# Altium PCB higgs.PcbDoc (part 12 of 25) (continued)
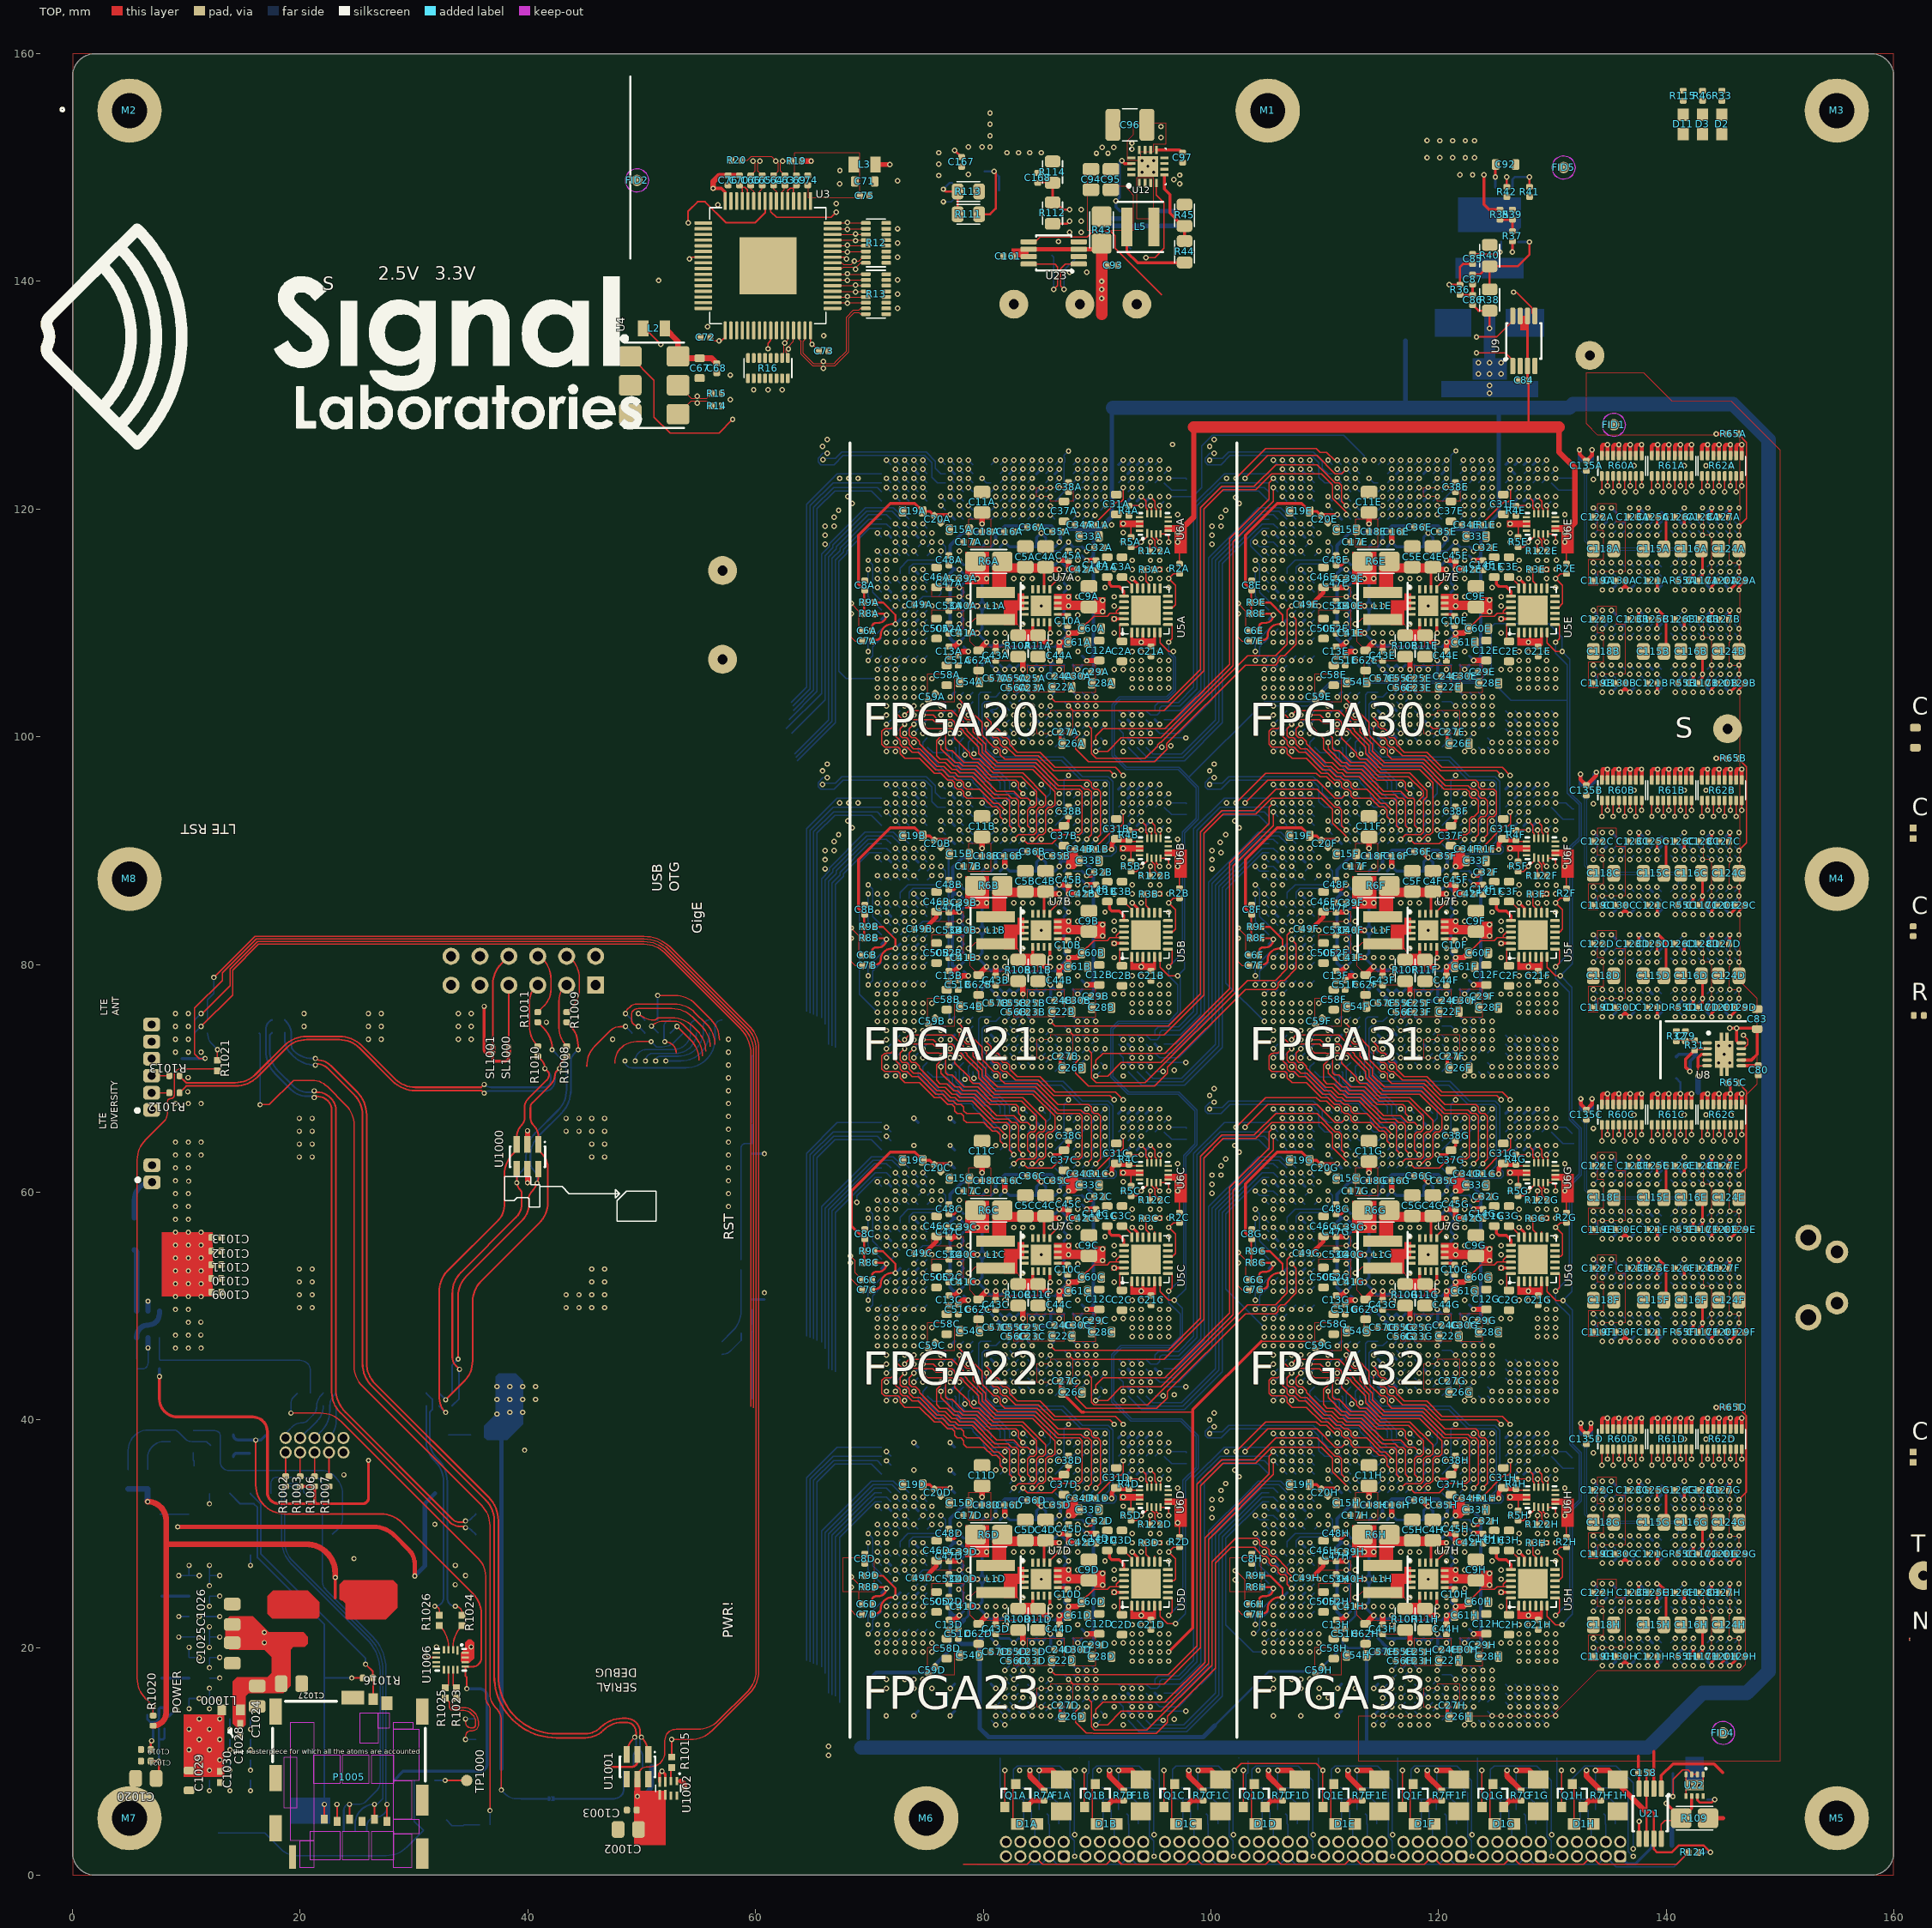
[diagram p0: TOP view]
## Nets (pads, with @x,y where several pads share a name; then routed paths per layer and width w, separated by ;. In a path a pad name is that pad's centre, name@x,y a point inside that pad or via, vN(x,y) a via of type N, cw(c..) or ccw(c..) an arc to the next point about the centre after c; other vN are vias at no path point) (continued)
  BOT w0.102: v1(73.1,94.2) U1B.D3@73.5,93.8
IL07_FPGA21.LR.G0.S_N: U1B.C2 | length 0.6
  BOT w0.102: v1(72.3,95) U1B.C2@72.7,94.6
IL07_FPGA21.LR.G0.S_P: U1B.B1 | length 0.6
  BOT w0.102: v1(71.5,95.8) U1B.B1@71.9,95.4
IL07_FPGA21.LR.G1.D0_N: U1B.E1 | length 0.6
  BOT w0.102: v1(73.9,95.8) U1B.E1@74.3,95.4
IL07_FPGA21.LR.G1.D0_P: U1B.F2 | length 0.6
  BOT w0.102: v1(74.7,95) U1B.F2@75.1,94.6
IL07_FPGA21.LR.G1.D1_N: U1B.H1 | length 0.6
  BOT w0.102: v1(76.3,95.8) U1B.H1@76.7,95.4
IL07_FPGA21.LR.G1.D1_P: U1B.F1 | length 0.6
  BOT w0.102: v1(74.7,95.8) U1B.F1@75.1,95.4
IL07_FPGA21.LR.G1.D2_N: U1B.H3 | length 14.7
  BOT w0.102: v1(66.3,96.4) 65.936,96.4 65.501,95.965 65.501,95.635 65.735,95.401 66.901,95.401 67.699,96.199 74.865,96.199 74.932,96.132 ; 74.933,96.132 75.5,95.566 75.5,94.3 76,93.8 U1B.H3@76.7,93.8
IL07_FPGA21.LR.G1.D2_P: U1B.H2 | length 12.1
  BOT w0.102: v1@65.933,95.933 67.002,95.933 67.573,96.504 74.993,96.504 75.805,95.692 75.805,95.1 76.305,94.6 U1B.H2@76.7,94.6
  other v1: 65.9,95.8
IL07_FPGA21.LR.G1.D3_N: U1B.K3 | length 0.6
  BOT w0.102: v1(77.9,94.2) U1B.K3@78.3,93.8
  other v1: 66.1,89.2
IL07_FPGA21.LR.G1.D3_P: U1B.J3 | length 0.6
  BOT w0.102: v1(77.1,94.2) U1B.J3@77.5,93.8
  other v1: 66.9,90.8
IL07_FPGA21.LR.G1.D4_N: U1B.L1 | length 0.6
  BOT w0.102: v1(78.7,95.8) U1B.L1@79.1,95.4
  other v1: 66.3,97.6
IL07_FPGA21.LR.G1.D4_P: U1B.K1 | length 0.6
  BOT w0.102: v1(77.9,95.8) U1B.K1@78.3,95.4
  other v1: 65.9,97
IL07_FPGA21.LR.G1.S_N: U1B.J1 | length 0.6
  BOT w0.102: v1(77.1,95.8) U1B.J1@77.5,95.4
  other v1: 68.2,94.2
IL07_FPGA21.LR.G1.S_P: U1B.K2 | length 0.6
  BOT w0.102: v1(77.9,95) U1B.K2@78.3,94.6
  other v1: 69,94.2
IL07_FPGA21.LR.G2.D0_N: U1B.K7 | length 0.6
  BOT w0.102: v1(77.9,91) U1B.K7@78.3,90.6
IL07_FPGA21.LR.G2.D0_P: U1B.K6 | length 0.6
  BOT w0.102: v1(77.9,91.8) U1B.K6@78.3,91.4
IL07_FPGA21.LR.G2.D1_N: U1B.L4 | length 0.6
  BOT w0.102: v1(78.7,93.4) U1B.L4@79.1,93
IL07_FPGA21.LR.G2.D1_P: U1B.K5 | length 0.6
  BOT w0.102: v1(77.9,92.6) U1B.K5@78.3,92.2
IL07_FPGA21.LR.G2.D2_N: U1B.N7 | length 0.6
  BOT w0.102: U1B.N7@80.7,90.6 v1(81.1,91)
IL07_FPGA21.LR.G2.D2_P: U1B.N6 | length 0.6
  BOT w0.102: U1B.N6@80.7,91.4 v1(81.1,91.8)
IL07_FPGA21.LR.G2.D3_N: U1B.P7 | length 0.6
  BOT w0.102: U1B.P7@81.5,90.6 v1(81.9,91)
IL07_FPGA21.LR.G2.D3_P: U1B.P6 | length 0.6
  BOT w0.102: U1B.P6@81.5,91.4 v1(81.9,91.8)
IL07_FPGA21.LR.G2.D4_N: U1B.L6 | length 0.6
  BOT w0.102: v1(78.7,91.8) U1B.L6@79.1,91.4
IL07_FPGA21.LR.G2.D4_P: U1B.L7 | length 0.6
  BOT w0.102: v1(78.7,91) U1B.L7@79.1,90.6
IL07_FPGA21.LR.G2.S_N: U1B.N4 | length 0.6
  BOT w0.102: U1B.N4@80.7,93 v1(81.1,93.4)
IL07_FPGA21.LR.G2.S_P: U1B.N3 | length 1
  BOT w0.102: v1(79.9,94.2) 80.3,93.8 U1B.N3@80.7,93.8
IL07_FPGA21.LR.G3.D0_N: U1B.E3 | length 0.6
  BOT w0.102: v1(73.9,94.2) U1B.E3@74.3,93.8
  other v1: 68.099,92.6
IL07_FPGA21.LR.G3.D0_P: U1B.F3 | length 0.6
  BOT w0.102: v1(74.7,94.2) U1B.F3@75.1,93.8
  other v1: 68.5,92
IL07_FPGA21.LR.G3.D1_N: U1B.D1 | length 0.6
  BOT w0.102: v1(73.1,95.8) U1B.D1@73.5,95.4
  other v1: 67.3,91.4
IL07_FPGA21.LR.G3.D1_P: U1B.C1 | length 0.6
  BOT w0.102: v1(72.3,95.8) U1B.C1@72.7,95.4
  other v1: 66.1,90
IL07_FPGA21.LR.G3.D2_N: U1B.L3 | length 0.6
  BOT w0.102: v1(78.7,94.2) U1B.L3@79.1,93.8
IL07_FPGA21.LR.G3.D2_P: U1B.L2 | length 0.6
  BOT w0.102: v1(78.7,95) U1B.L2@79.1,94.6
IL07_FPGA21.LR.G3.D3_N: U1B.K4 | length 0.6
  BOT w0.102: v1(77.9,93.4) U1B.K4@78.3,93
  other v1: 66.9,90
IL07_FPGA21.LR.G3.D3_P: U1B.J4 | length 0.6
  BOT w0.102: v1(77.1,93.4) U1B.J4@77.5,93
  other v1: 66.1,88.4
IL07_FPGA21.LR.G3.D4_N: U1B.H5 | length 0.6
  BOT w0.102: v1(76.3,92.6) U1B.H5@76.7,92.2
IL07_FPGA21.LR.G3.D4_P: U1B.H6 | length 0.6
  BOT w0.102: v1(76.3,91.8) U1B.H6@76.7,91.4
IL07_FPGA21.LR.G3.S_N: U1B.D17 | length 0.6
  BOT w0.102: v1(73.1,82.2) U1B.D17@73.5,82.6
IL07_FPGA21.LR.G3.S_P: U1B.C17 | length 0.6
  BOT w0.102: U1B.C17@72.7,82.6 v1(73.1,83)
IL07_FPGA21.LR.VTT: C19B.2 C20B.2 U1B.J7
IL07_FPGA21.TB.G8.D0_N: U1B.D9 | length 0.6
  BOT w0.102: v1(73.1,89.4) U1B.D9@73.5,89
IL07_FPGA21.TB.G8.D0_P: U1B.F9 | length 0.6
  BOT w0.102: v1(74.7,89.4) U1B.F9@75.1,89
IL07_FPGA21.TB.G8.D1_N: U1B.A9 | length 0.6
  BOT w0.102: v1(70.7,89.4) U1B.A9@71.1,89
IL07_FPGA21.TB.G8.D1_P: U1B.C9 | length 0.6
  BOT w0.102: v1(72.3,89.4) U1B.C9@72.7,89
IL07_FPGA21.TB.G8.D2_N: U1B.C11 | length 0.6
  BOT w0.102: v1(72.3,87.8) U1B.C11@72.7,87.4
IL07_FPGA21.TB.G8.D2_P: U1B.D11 | length 0.6
  BOT w0.102: v1(73.1,87.8) U1B.D11@73.5,87.4
IL07_FPGA21.TB.G8.D3_N: U1B.C10 | length 0.6
  BOT w0.102: v1(72.3,88.6) U1B.C10@72.7,88.2
IL07_FPGA21.TB.G8.D3_P: U1B.D10 | length 0.6
  BOT w0.102: v1(73.1,88.6) U1B.D10@73.5,88.2
IL07_FPGA21.TB.G13.C_N: U1B.B4 | length 0.6
  BOT w0.102: v1(71.5,93.4) U1B.B4@71.9,93
IL07_FPGA21.TB.G13.C_P: U1B.B3 | length 0.6
  BOT w0.102: v1(71.5,94.2) U1B.B3@71.9,93.8
IL07_FPGA21.TB.G13.D0_N: U1B.A3 | length 23.2
  BOT w0.102: 64.805,75.729 64.805,91.791 66.814,93.8 U1B.A3@71.1,93.8
IL07_FPGA21.TB.G13.D0_P: U1B.A2 | length 23.8
  BOT w0.102: 64.5,75.855 64.5,91.917 67.183,94.6 U1B.A2@71.1,94.6
IL07_FPGA21.TB.G13.D1_N: U1B.A5 | length 22.8
  BOT w0.102: 65.414,75.477 65.414,91.539 66.976,93.1 70.2,93.1 U1B.A5@71.1,92.2
IL07_FPGA21.TB.G13.D1_P: U1B.A4 | length 22.9
  BOT w0.102: 65.11,75.603 65.11,91.665 66.85,93.405 70.695,93.405 U1B.A4@71.1,93
IL07_FPGA21.TB.G13.D2_N: U1B.C7 | length 21.3
  BOT w0.102: 66.105,74.743 66.105,87.409 66.804,88.108 66.804,88.347 69.761,91.305 71.995,91.305 U1B.C7@72.7,90.6
IL07_FPGA21.TB.G13.D2_P: U1B.D7 | length 22.2
  BOT w0.102: 65.8,75.3 65.8,87.536 66.499,88.235 66.499,88.473 69.635,91.609 72.122,91.609 72.731,91 73.1,91 U1B.D7@73.5,90.6
IL07_FPGA21.TB.G13.D3_N: U1B.A7 | length 20.3
  BOT w0.102: 66.714,72.852 66.714,87.157 67.413,87.856 67.413,88.095 69.919,90.6 U1B.A7@71.1,90.6
IL07_FPGA21.TB.G13.D3_P: U1B.B7 | length 21.6
  BOT w0.102: 66.41,72.979 66.41,87.283 67.109,87.982 67.109,88.221 69.888,91 71.5,91 U1B.B7@71.9,90.6
IL07_FPGA21.TB.G13.D4_N: U1B.E8 | length 0.6
  BOT w0.102: v1(73.9,90.2) U1B.E8@74.3,89.8
IL07_FPGA21.TB.G13.D4_P: U1B.F8 | length 0.6
  BOT w0.102: v1(74.7,90.2) U1B.F8@75.1,89.8
IL07_FPGA21.TB.G13.D5_N: U1B.C8 | length 0.6
  BOT w0.102: v1(72.3,90.2) U1B.C8@72.7,89.8
IL07_FPGA21.TB.G13.D5_P: U1B.D8 | length 0.6
  BOT w0.102: v1(73.1,90.2) U1B.D8@73.5,89.8
IL07_FPGA21.TB.G13.D6: U1B.B8 | length 20.8
  BOT w0.102: 67.019,72.726 67.019,87.031 67.718,87.73 67.718,87.968 69.95,90.2 71.5,90.2 U1B.B8@71.9,89.8
IL07_FPGA21.VIOLR: C15B.2 C16B.2 C17B.2 C18B.2 U1B.M10 U1B.P10 U1B.R10 U1B.T10 | length 3.2
  TOP w0.483: v1(81.9,88.6) C16B.2@81.9,89.33
  BOT w0.254: U1B.M10@79.9,88.2 v1(80.3,88.6) ; U1B.P10@81.5,88.2 v1(81.9,88.6) U1B.R10@82.3,88.2 U1B.T10@83.1,88.2
IL07_FPGA21.VIOTB: C46B.2 C47B.2 C48B.2 C49B.2 U1B.K12 U1B.K14 U1B.K15 U1B.K16 | length 6.8
  TOP w0.254: C48B.2@77,86.57 77.47,86.57 v1(77.9,87)
  TOP w0.381: C49B.2@74.83,83.1 75.9,84.17 C46B.2@75.9,84.625
  TOP w0.483: C47B.2@77,84.57 77.03,84.6 v1(77.9,84.6)
  BOT w0.254: v1(77.9,87) U1B.K12@78.3,86.6 ; U1B.K16@78.3,83.4 v1(77.9,83.8) U1B.K15@78.3,84.2 v1(77.9,84.6) U1B.K14@78.3,85
IL12.LR.G0.D0D_N: U1D.D28
IL12.LR.G0.D0D_P: U1D.C28
IL12.LR.G0.D0H_N: U1H.D28
IL12.LR.G0.D0H_P: U1H.C28
IL12.LR.G0.D1D_N: U1D.C30
IL12.LR.G0.D1D_P: U1D.C29
IL12.LR.G0.D1H_N: U1H.C30
IL12.LR.G0.D1H_P: U1H.C29
IL12.LR.G0.D2D_N: U1D.E29
IL12.LR.G0.D2D_P: U1D.D29
IL12.LR.G0.D2H_N: U1H.E29
IL12.LR.G0.D2H_P: U1H.D29
IL12.LR.G0.D3D_N: U1D.F28
IL12.LR.G0.D3D_P: U1D.F29
IL12.LR.G0.D3H_N: U1H.F28
IL12.LR.G0.D3H_P: U1H.F29
IL12.LR.G0.D4D_N: U1D.D31
IL12.LR.G0.D4D_P: U1D.D30
IL12.LR.G0.D4H_N: U1H.D31
IL12.LR.G0.D4H_P: U1H.D30
IL12.LR.G0.SD_N: U1D.C31
IL12.LR.G0.SD_P: U1D.B32
IL12.LR.G0.SH_N: U1H.C31
IL12.LR.G0.SH_P: U1H.B32
IL12.LR.G1.D0D_N: U1D.E32
IL12.LR.G1.D0D_P: U1D.F31
IL12.LR.G1.D0H_N: U1H.E32
IL12.LR.G1.D0H_P: U1H.F31
IL12.LR.G1.D1D_N: U1D.H32
IL12.LR.G1.D1D_P: U1D.F32
IL12.LR.G1.D1H_N: U1H.H32
IL12.LR.G1.D1H_P: U1H.F32
IL12.LR.G1.D2D_N: U1D.H30
IL12.LR.G1.D2D_P: U1D.H31
IL12.LR.G1.D2H_N: U1H.H30
IL12.LR.G1.D2H_P: U1H.H31
IL12.LR.G1.D3D_N: U1D.K30
IL12.LR.G1.D3D_P: U1D.J30
IL12.LR.G1.D3H_N: U1H.K30
IL12.LR.G1.D3H_P: U1H.J30
IL12.LR.G1.D4D_N: U1D.L32
IL12.LR.G1.D4D_P: U1D.K32
IL12.LR.G1.D4H_N: U1H.L32
IL12.LR.G1.D4H_P: U1H.K32
IL12.LR.G1.SD_N: U1D.J32
IL12.LR.G1.SD_P: U1D.K31
IL12.LR.G1.SH_N: U1H.J32
IL12.LR.G1.SH_P: U1H.K31
IL12.LR.G2.D0D_N: U1D.K26
IL12.LR.G2.D0D_P: U1D.K27
IL12.LR.G2.D0H_N: U1H.K26
IL12.LR.G2.D0H_P: U1H.K27
IL12.LR.G2.D1D_N: U1D.L29
IL12.LR.G2.D1D_P: U1D.K28
IL12.LR.G2.D1H_N: U1H.L29
IL12.LR.G2.D1H_P: U1H.K28
IL12.LR.G2.D2D_N: U1D.N26
IL12.LR.G2.D2D_P: U1D.N27
IL12.LR.G2.D2H_N: U1H.N26
IL12.LR.G2.D2H_P: U1H.N27
IL12.LR.G2.D3D_N: U1D.P26
IL12.LR.G2.D3D_P: U1D.P27
IL12.LR.G2.D3H_N: U1H.P26
IL12.LR.G2.D3H_P: U1H.P27
IL12.LR.G2.D4D_N: U1D.L27
IL12.LR.G2.D4D_P: U1D.L26
IL12.LR.G2.D4H_N: U1H.L27
IL12.LR.G2.D4H_P: U1H.L26
IL12.LR.G2.SD_N: U1D.N29
IL12.LR.G2.SD_P: U1D.N30
IL12.LR.G2.SH_N: U1H.N29
IL12.LR.G2.SH_P: U1H.N30
IL12.LR.G3.D0D_N: U1D.E30
IL12.LR.G3.D0D_P: U1D.F30
IL12.LR.G3.D0H_N: U1H.E30
IL12.LR.G3.D0H_P: U1H.F30
IL12.LR.G3.D1D_N: U1D.D32
IL12.LR.G3.D1D_P: U1D.C32
IL12.LR.G3.D1H_N: U1H.D32
IL12.LR.G3.D1H_P: U1H.C32
IL12.LR.G3.D2D_N: U1D.L30
IL12.LR.G3.D2D_P: U1D.L31
IL12.LR.G3.D2H_N: U1H.L30
IL12.LR.G3.D2H_P: U1H.L31
IL12.LR.G3.D3D_N: U1D.K29
IL12.LR.G3.D3D_P: U1D.J29
IL12.LR.G3.D3H_N: U1H.K29
IL12.LR.G3.D3H_P: U1H.J29
IL12.LR.G3.D4D_N: U1D.H28
IL12.LR.G3.D4D_P: U1D.H27
IL12.LR.G3.D4H_N: U1H.H28
IL12.LR.G3.D4H_P: U1H.H27
IL12.LR.G3.SD_N: U1D.B30
IL12.LR.G3.SD_P: U1D.B29
IL12.LR.G3.SH_N: U1H.B30
IL12.LR.G3.SH_P: U1H.B29
IL12.LR.VTTD: C8D.2 C58D.2 C59D.2 R8D.1 R9D.1 U1D.J26
IL12.LR.VTTH: C8H.2 C58H.2 C59H.2 R8H.1 R9H.1 U1H.J26
IL12.TB.G8.D0D_N: U1D.B22 | length 0.6
  BOT w0.102: v1(71.5,21.2) U1D.B22@71.9,21.6
IL12.TB.G8.D0D_P: U1D.A22 | length 0.6
  BOT w0.102: v1(70.7,21.2) U1D.A22@71.1,21.6
IL12.TB.G8.D0H_N: U1H.B22 | length 0.6
  BOT w0.102: v1(105.5,21.2) U1H.B22@105.9,21.6
IL12.TB.G8.D0H_P: U1H.A22 | length 0.6
  BOT w0.102: v1(104.7,21.2) U1H.A22@105.1,21.6
IL12.TB.G8.D1D_N: U1D.D22 | length 0.6
  BOT w0.102: v1(73.1,21.2) U1D.D22@73.5,21.6
IL12.TB.G8.D1D_P: U1D.C22 | length 0.6
  BOT w0.102: v1(72.3,21.2) U1D.C22@72.7,21.6
IL12.TB.G8.D1H_N: U1H.D22 | length 0.6
  BOT w0.102: v1(107.1,21.2) U1H.D22@107.5,21.6
IL12.TB.G8.D1H_P: U1H.C22 | length 0.6
  BOT w0.102: v1(106.3,21.2) U1H.C22@106.7,21.6
IL12.TB.G8.D2D_N: U1D.F22 | length 0.6
  BOT w0.102: v1(74.7,21.2) U1D.F22@75.1,21.6
IL12.TB.G8.D2D_P: U1D.E22 | length 0.6
  BOT w0.102: v1(73.9,21.2) U1D.E22@74.3,21.6
IL12.TB.G8.D2H_N: U1H.F22 | length 0.6
  BOT w0.102: v1(108.7,21.2) U1H.F22@109.1,21.6
IL12.TB.G8.D2H_P: U1H.E22 | length 0.6
  BOT w0.102: v1(107.9,21.2) U1H.E22@108.3,21.6
IL12.TB.G8.D3D_N: U1D.B23 | length 0.6
  BOT w0.102: v1(71.5,20.4) U1D.B23@71.9,20.8
IL12.TB.G8.D3D_P: U1D.A23 | length 0.6
  BOT w0.102: v1(70.7,20.4) U1D.A23@71.1,20.8
IL12.TB.G8.D3H_N: U1H.B23 | length 0.6
  BOT w0.102: v1(105.5,20.4) U1H.B23@105.9,20.8
IL12.TB.G8.D3H_P: U1H.A23 | length 0.6
  BOT w0.102: v1(104.7,20.4) U1H.A23@105.1,20.8
IL12.TB.G13.CD_N: U1D.F17 | length 0.6
  BOT w0.102: v1(74.706,25.201) 74.706,25.206 U1D.F17@75.1,25.6
IL12.TB.G13.CD_P: U1D.E17 | length 0.5
  BOT w0.102: v1(73.906,25.226) 73.926,25.226 U1D.E17@74.3,25.6
IL12.TB.G13.CH_N: U1H.F17 | length 0.6
  BOT w0.102: v1(108.707,25.201) 108.707,25.207 U1H.F17@109.1,25.6
IL12.TB.G13.CH_P: U1H.E17 | length 0.6
  BOT w0.102: v1(107.9,25.2) U1H.E17@108.3,25.6
IL12.TB.G13.D0D_N: U1D.F18 | length 0.6
  BOT w0.102: v1(74.7,24.4) U1D.F18@75.1,24.8
IL12.TB.G13.D0D_P: U1D.D18 | length 0.6
  BOT w0.102: v1(73.1,24.4) U1D.D18@73.5,24.8
IL12.TB.G13.D0H_N: U1H.F18 | length 0.6
  BOT w0.102: v1(108.7,24.4) U1H.F18@109.1,24.8
IL12.TB.G13.D0H_P: U1H.D18 | length 0.6
  BOT w0.102: v1(107.1,24.4) U1H.D18@107.5,24.8
IL12.TB.G13.D1D_N: U1D.B19 | length 0.6
  BOT w0.102: v1(71.5,23.6) U1D.B19@71.9,24
IL12.TB.G13.D1D_P: U1D.A19 | length 2.5
  BOT w0.102: v1(69.9,22) 69.9,22.8 U1D.A19@71.1,24
IL12.TB.G13.D1H_N: U1H.B19 | length 0.6
  BOT w0.102: v1(105.5,23.6) U1H.B19@105.9,24
IL12.TB.G13.D1H_P: U1H.A19 | length 2.5
  BOT w0.102: v1(103.907,22.026) 103.907,22.793 103.9,22.8 U1H.A19@105.1,24
IL12.TB.G13.D2D_N: U1D.D19 | length 0.6
  BOT w0.102: v1(73.1,23.6) U1D.D19@73.5,24
IL12.TB.G13.D2D_P: U1D.C19 | length 0.6
  BOT w0.102: v1(72.3,23.6) U1D.C19@72.7,24
IL12.TB.G13.D2H_N: U1H.D19 | length 0.6
  BOT w0.102: v1(107.1,23.6) U1H.D19@107.5,24
IL12.TB.G13.D2H_P: U1H.C19 | length 0.6
  BOT w0.102: v1(106.3,23.6) U1H.C19@106.7,24
IL12.TB.G13.D3D_N: U1D.F19 | length 0.6
  BOT w0.102: v1(74.706,23.601) 74.706,23.606 U1D.F19@75.1,24
IL12.TB.G13.D3D_P: U1D.E19 | length 0.6
  BOT w0.102: v1@73.9,23.6 U1D.E19@74.3,24 ; v1@73.906,23.606 v1(73.906,23.626)
IL12.TB.G13.D3H_N: U1H.F19 | length 0.6
  BOT w0.102: v1(108.7,23.6) U1H.F19@109.1,24
IL12.TB.G13.D3H_P: U1H.E19 | length 0.6
  BOT w0.102: v1(107.9,23.6) U1H.E19@108.3,24
IL12.TB.G13.D4D_N: U1D.C20 | length 0.6
  BOT w0.102: v1(72.3,22.8) U1D.C20@72.7,23.2
IL12.TB.G13.D4D_P: U1D.A20 | length 2.5
  BOT w0.102: v1(69.9,21.2) 70.3,21.6 70.3,22.4 U1D.A20@71.1,23.2
IL12.TB.G13.D4H_N: U1H.C20 | length 0.6
  BOT w0.102: v1(106.3,22.8) U1H.C20@106.7,23.2
IL12.TB.G13.D4H_P: U1H.A20 | length 2.7
  BOT w0.102: v1(103.757,21.226) 103.876,21.226 103.901,21.201 104.3,21.6 104.3,21.855 104.306,21.861 104.306,22.191 104.3,22.198 104.3,22.4 U1H.A20@105.1,23.2
IL12.TB.G13.D5D_N: U1D.F20 | length 0.6
  BOT w0.102: v1(74.7,22.8) U1D.F20@75.1,23.2
IL12.TB.G13.D5D_P: U1D.D20 | length 0.6
  BOT w0.102: v1(73.1,22.8) U1D.D20@73.5,23.2
IL12.TB.G13.D5H_N: U1H.F20 | length 0.6
  BOT w0.102: v1(108.7,22.8) U1H.F20@109.1,23.2
IL12.TB.G13.D5H_P: U1H.D20 | length 0.6
  BOT w0.102: v1(107.1,22.8) U1H.D20@107.5,23.2
IL12.TB.G13.D6D: U1D.C23 | length 0.6
  BOT w0.102: v1(72.3,20.4) U1D.C23@72.7,20.8
IL12.TB.G13.D6H: U1H.C23 | length 0.6
  BOT w0.102: v1(106.3,20.4) U1H.C23@106.7,20.8
IL12.VIOLRD: C54D.2 C55D.2 C56D.2 C57D.2 U1D.M23 U1D.P23 U1D.R23 U1D.T23
IL12.VIOLRH: C54H.2 C55H.2 C56H.2 C57H.2 U1H.M23 U1H.P23 U1H.R23 U1H.T23 | length 68.8
  BOT w0.203: 78.3,22.4 78.7,22.8 78.7,23.425 78.3,23.825 78.3,24 78.25,24 78.25,24.75 78.3,24.8 77.975,25.125 v1(77.85,25.125) 77.85,25.15 78.3,25.6 ; 79.9,20.8 80.3,21.2 81.1,21.2 81.475,20.825 ; 79.925,20.775 79.95,20.8 ; 81.5,20.8 82.3,20.8 v1(82.7,20.4) 83.1,20.8 83.125,20.775 ; 100.35,13.15 105.1,17.9 109.4,17.9 111.738,20.238 ; v1@111.875,25.175 112.25,25.55 ; 112.3,22.4 111.575,21.675 111.575,20.4 111.738,20.238 ; 112.3,25.6 112.25,25.55 ; 112.35,22.425 112.689,22.764 112.689,23.611 112.3,24 112.25,24.05 112.25,25.55 ; U1H.M23@113.9,20.8 114.311,21.211 115.089,21.211 U1H.P23@115.475,20.825 ; U1H.M23@113.975,20.825 113.1,19.95 112.025,19.95 111.738,20.238 ; U1H.P23@115.5,20.8 U1H.R23@116.3,20.8 ; v1@115.925,20.425 U1H.R23@116.3,20.8 ; U1H.T23@117.15,20.85 U1H.T23@117.1,20.8 U1H.R23@116.3,20.8
  BOT w0.406: 78.3,22.4 77.81,21.91 77.81,20.597 78.097,20.31 79.46,20.31 ; 79.9,20.8 79.7,20.6 79.7,12.9 80.473,12.127 99.327,12.127 100.35,13.15
  other v1: 115.9,20.375 111.85,25.125
IL12.VIOTBD: C50D.2 C51D.2 C52D.2 C53D.2 U1D.K17 U1D.K18 U1D.K19 U1D.K21
IL12.VIOTBH: C50H.2 C51H.2 C52H.2 C53H.2 U1H.K17 U1H.K18 U1H.K19 U1H.K21
IL12_13.LR.VTT: NT12.A
IL12_13.VIOLR: NT13.A
IL12_20.LR.G0.D0_N: U1A.D28 U1B.T7 | length 29.8
  TOP w0.102: v1(73.1,101.9) 73.499,102.299 74.699,102.299 ; 74.7,102.3 76.5,102.3 ; 76.501,102.299 77.265,102.299 78.064,101.501 78.299,101.265 78.299,100.937 78.604,100.632 78.604,100.523 79.904,99.223 79.904,98.64 81.126,97.418 84.477,97.418 86.496,95.399 88.465,95.399 88.699,95.165 88.699,91.635 88.465,91.401 86.865,91.401 86.065,90.601 83.899,90.601 v1(83.5,91)
  BOT w0.102: v1(73.1,101.9) U1A.D28@73.5,102.3 ; U1B.T7@83.1,90.6 v1(83.5,91)
IL12_20.LR.G0.D0_P: U1A.C28 U1B.R7 | length 23.7
  TOP w0.102: v1(72.3,101.9) 72.536,101.9 72.935,101.501 74.699,101.501 ; 74.7,101.5 75.569,101.5 75.873,101.196 76.399,101.196 76.895,100.701 77.264,100.701 77.501,100.464 77.501,99.864 78.801,98.564 78.801,98.335 79.108,98.028 79.654,98.028 80.873,96.809 83.487,96.809 85.5,94.795 85.5,94.225 85.499,94.224 85.499,94.035 85.265,93.801 84.936,93.801 84.701,93.565 84.701,91.927 84.699,91.925 84.699,91.635 84.464,91.4 83.1,91.4 v1(82.7,91)
  BOT w0.102: v1(72.3,101.9) U1A.C28@72.7,102.3 ; U1B.R7@82.3,90.6 v1(82.7,91)
IL12_20.LR.G0.D1_N: U1A.C30 U1B.P4 | length 14.2
  TOP w0.102: v1(72.3,100.3) 72.3,100.064 72.699,99.665 72.699,99.337 72.935,99.101 73.304,99.101 73.767,98.638 74.305,98.638 75.838,97.105 76.422,97.105 77.023,96.504 77.392,96.504 77.696,96.199 78.065,96.199 78.301,95.964 78.301,95.635 78.535,95.401 79.695,95.401 80.926,94.169 81.326,94.169 81.9,93.595 v1(81.9,93.4)
  BOT w0.102: v1(72.3,100.3) U1A.C30@72.7,100.7 ; U1B.P4@81.5,93 v1(81.9,93.4)
IL12_20.LR.G0.D1_P: U1A.C29 U1B.P5 | length 18.2
  TOP w0.102: v1(72.3,101.1) 72.298,101.1 71.899,100.701 71.501,100.701 71.499,100.699 71.335,100.699 71.101,100.465 71.101,99.665 71.101,99.335 71.335,99.101 72.504,99.101 72.7,98.905 72.7,98.534 73.134,98.1 74.411,98.1 75.711,96.8 76.295,96.8 76.896,96.199 77.265,96.199 77.501,95.964 77.501,95.635 77.736,95.399 78.065,95.399 78.299,95.165 78.299,94.837 78.535,94.601 80.064,94.601 80.8,93.864 81.2,93.864 81.499,93.565 81.499,93.001 v1(81.9,92.6)
  BOT w0.102: v1(72.3,101.1) U1A.C29@72.7,101.5 ; U1B.P5@81.5,92.2 v1(81.9,92.6)
IL12_20.LR.G0.D2_N: U1A.E29 U1B.T6 | length 17.1
  TOP w0.102: v1(73.9,101.1) 73.501,100.701 73.501,100.135 73.735,99.901 74.064,99.901 74.4,99.564 74.4,99.405 76.09,97.714 76.674,97.714 77.275,97.114 77.644,97.114 77.949,96.809 79.149,96.809 81.054,94.904 82.192,94.904 82.496,94.599 82.865,94.599 83.099,94.365 83.099,92.201 v1(83.5,91.8)
  BOT w0.102: v1(73.9,101.1) U1A.E29@74.3,101.5 ; U1B.T6@83.1,91.4 v1(83.5,91.8)
IL12_20.LR.G0.D2_P: U1A.D29 U1B.R6 | length 17.2
  TOP w0.102: v1(73.1,101.1) 72.701,100.701 72.701,100.1 72.902,99.899 73.265,99.899 73.499,99.665 73.499,99.336 73.893,98.942 74.431,98.942 75.964,97.41 76.548,97.41 77.149,96.809 77.518,96.809 77.823,96.504 79.023,96.504 80.927,94.599 82.065,94.599 82.299,94.365 82.299,92.201 v1(82.7,91.8)
  BOT w0.102: v1(73.1,101.1) U1A.D29@73.5,101.5 ; U1B.R6@82.3,91.4 v1(82.7,91.8)
IL12_20.LR.G0.D3_N: U1A.F28 U1B.U7 | length 21.6
  TOP w0.102: v1(74.7,101.9) 75.6,101.9 75.999,101.501 76.6,101.501 76.602,101.499 77.265,101.499 77.499,101.265 77.499,101.101 77.501,101.099 77.501,100.935 77.735,100.701 78.064,100.701 78.299,100.465 78.299,100.396 79.599,99.096 79.599,98.514 80.999,97.114 84.351,97.114 86.301,95.164 86.301,94.25 86.299,94.248 86.299,94.035 86.065,93.801 85.736,93.801 85.501,93.565 85.501,91.636 85.265,91.401 84.936,91.401 84.536,91 v1(84.3,91)
  BOT w0.102: v1(74.7,101.9) U1A.F28@75.1,102.3 ; U1B.U7@83.9,90.6 v1(84.3,91)
IL12_20.LR.G0.D3_P: U1A.F29 U1B.U6 | length 18.5
  TOP w0.102: v1(74.7,101.1) 75.1,100.7 76.136,100.7 76.136,100.699 76.465,100.699 76.699,100.465 76.699,98.983 76.883,98.799 77.252,98.799 78.328,97.723 79.528,97.723 80.747,96.504 83.361,96.504 84.699,95.165 84.699,94.035 84.465,93.801 84.136,93.801 83.901,93.565 83.901,92.476 83.9,92.475 83.9,92.2 v1(84.3,91.8)
  BOT w0.102: v1(74.7,101.1) U1A.F29@75.1,101.5 ; U1B.U6@83.9,91.4 v1(84.3,91.8)
IL12_20.LR.G0.D4_N: U1A.D31 U1B.U5 | length 16.3
  S2(H) w0.102: v1(73.1,99.5) 73.499,99.899 75.227,99.899 76.245,98.881 76.723,98.881 77.908,97.696 78.577,97.696 78.782,97.491 79.549,97.491 80.263,96.777 81.159,96.777 83.2,94.736 83.336,94.599 83.665,94.599 83.899,94.365 83.899,93.003 84.3,92.602 v1(84.3,92.6)
  BOT w0.102: v1(73.1,99.5) U1A.D31@73.5,99.9 ; U1B.U5@83.9,92.2 v1(84.3,92.6)
IL12_20.LR.G0.D4_P: U1A.D30 U1B.T4 | length 15.9
  S2(H) w0.102: v1(73.1,100.3) 72.7,99.9 72.7,99.336 72.935,99.101 75.595,99.101 76.119,98.576 76.597,98.576 77.782,97.391 78.451,97.391 78.656,97.187 79.423,97.187 81.705,94.904 82.596,94.904 83.101,94.399 83.101,94.035 83.5,93.636 v1(83.5,93.4)
  BOT w0.102: v1(73.1,100.3) U1A.D30@73.5,100.7 ; U1B.T4@83.1,93 v1(83.5,93.4)
IL12_20.LR.G0.S_N: U1A.C31 U1B.T5 | length 17
  S2(H) w0.102: v1(72.3,99.5) 71.899,99.099 71.899,98.332 72.726,97.505 77.238,97.505 78.543,96.199 78.865,96.199 79.292,95.773 79.96,95.773 81.134,94.599 82.065,94.599 82.301,94.364 82.301,94.035 82.535,93.801 82.864,93.801 83.101,93.564 83.101,93.001 83.5,92.602 v1(83.5,92.6)
  BOT w0.102: v1(72.3,99.5) U1A.C31@72.7,99.9 ; U1B.T5@83.1,92.2 v1(83.5,92.6)
IL12_20.LR.G0.S_P: U1A.B32 U1B.R4 | length 15
  S2(H) w0.102: v1(71.5,98.7) 71.5,98.3 72.6,97.2 77.111,97.2 78.299,96.012 78.299,95.601 78.499,95.401 79.901,95.401 81.501,93.801 81.999,93.801 82.001,93.799 82.065,93.799 82.464,93.4 v1(82.7,93.4)
  BOT w0.102: v1(71.5,98.7) U1A.B32@71.9,99.1 ; U1B.R4@82.3,93 v1(82.7,93.4)
IL12_20.LR.G1.D0_N: U1A.E32 U1B.P3 | length 10
  BOT w0.102: U1A.E32@74.3,99.1 74.3,98.774 76.802,96.272 78.966,96.272 79.119,96.119 79.119,95.985 80.002,95.102 80.002,94.798 80.299,94.501 80.299,94.3 80.399,94.2 80.866,94.2 81.265,93.8 U1B.P3@81.5,93.8
IL12_20.LR.G1.D0_P: U1A.F31 U1B.P2 | length 9.8
  BOT w0.102: U1A.F31@75.1,99.9 74.7,99.5 74.7,98.935 77.058,96.577 79.092,96.577 79.434,96.234 79.434,96.1 80.534,95 81.1,95 U1B.P2@81.5,94.6
IL12_20.LR.G1.D1_N: U1A.H32 U1B.P1 | length 7
  BOT w0.102: U1A.H32@76.7,99.1 76.742,99.1 77.291,98.552 77.291,98.083 78.187,97.187 79.345,97.187 80.145,96.386 81.114,96.386 81.5,96 U1B.P1@81.5,95.4
IL12_20.LR.G1.D1_P: U1A.F32 U1B.N1 | length 7.6
  BOT w0.102: U1A.F32@75.1,99.1 75.594,98.606 76.806,98.606 76.986,98.426 76.986,97.957 78.061,96.882 79.218,96.882 80.019,96.081 80.419,96.081 80.7,95.8 U1B.N1@80.7,95.4
IL12_20.LR.G1.D2_N: U1A.H30 U1B.U3 | length 13.4
  TOP w0.102: v1(76.3,100.3) 76.3,100.064 75.901,99.665 75.901,98.335 76.216,98.019 76.8,98.019 77.401,97.418 77.77,97.418 78.075,97.114 79.275,97.114 81.18,95.209 82.687,95.209 83.295,94.601 83.899,94.601 v1(84.3,94.2)
  BOT w0.102: v1(76.3,100.3) U1A.H30@76.7,100.7 ; U1B.U3@83.9,93.8 v1(84.3,94.2)
IL12_20.LR.G1.D2_P: U1A.H31 U1B.U2 | length 10.8
  TOP w0.102: v1(76.3,99.5) 76.3,98.951 77.528,97.723 77.897,97.723 78.201,97.418 79.401,97.418 80.621,96.199 82.865,96.199 83.099,95.965 83.099,95.401 v1(83.5,95)
  BOT w0.102: v1(76.3,99.5) U1A.H31@76.7,99.9 ; v1(83.5,95) U1B.U2@83.9,94.6
IL12_20.LR.G1.D3_N: U1A.K30 U1B.T3 | length 12
  S6(H) w0.102: v1(77.9,100.3) 77.9,98.336 78.235,98.001 78.704,98.001 79.318,97.387 79.451,97.387 80.257,96.581 83.284,96.581 83.899,95.965 83.899,94.599 v1(83.5,94.2)
  BOT w0.102: v1(77.9,100.3) U1A.K30@78.3,100.7 ; U1B.T3@83.1,93.8 v1(83.5,94.2)
IL12_20.LR.G1.D3_P: U1A.J30 U1B.R3 | length 11.8
  S6(H) w0.102: v1(77.1,100.3) 77.595,99.805 77.595,98.209 78.108,97.696 78.577,97.696 79.192,97.082 79.325,97.082 80.131,96.276 82.887,96.276 83.1,96.063 83.1,94.6 v1(82.7,94.2)
  BOT w0.102: v1(77.1,100.3) U1A.J30@77.5,100.7 ; U1B.R3@82.3,93.8 v1(82.7,94.2)
IL12_20.LR.G1.D4_N: U1A.L32 U1B.Y3 | length 10.8
  S6(H) w0.102: v1(79.2,98.5) 80.51,97.19 84.274,97.19 86.301,95.164 86.301,94.599 v1(86.7,94.2)
  BOT w0.102: U1A.L32@79.1,99.1 79.1,98.695 79.104,98.692 79.104,98.596 v1(79.2,98.5) ; U1B.Y3@86.3,93.8 v1(86.7,94.2)
IL12_20.LR.G1.D4_P: U1A.K32 U1B.W3 | length 10.8
  S6(H) w0.102: v1(78.4,98.4) 78.736,98.4 79.444,97.691 79.578,97.691 80.383,96.886 83.6,96.886 84.204,96.282 84.204,95.896 v1(85.9,94.2)
  BOT w0.102: U1A.K32@78.3,99.1 78.3,98.5 v1(78.4,98.4) ; U1B.W3@85.5,93.8 v1(85.9,94.2)
IL12_20.LR.G1.S_N: U1A.J32 U1B.T2 | length 8.4
  BOT w0.102: U1A.J32@77.5,99.1 77.595,99.005 77.595,98.209 78.313,97.491 79.471,97.491 80.272,96.69 81.241,96.69 81.9,96.031 81.9,95.235 82.135,95 82.7,95 U1B.T2@83.1,94.6
IL12_20.LR.G1.S_P: U1A.K31 U1B.R1 | length 7.7
  BOT w0.102: U1A.K31@78.3,99.9 77.9,99.5 77.9,98.335 78.439,97.796 79.597,97.796 80.398,96.995 81.367,96.995 82.3,96.062 U1B.R1@82.3,95.4
IL12_20.LR.G2.D0_N: U1A.K26 U1B.AD7 | length 22.8
  TOP w0.102: v1(77.9,103.5) 77.9,103.264 78.301,102.864 78.301,102.535 78.535,102.301 78.798,102.301 78.8,102.299 78.865,102.299 79.901,101.264 79.901,100.135 80.935,99.101 81.264,99.101 81.501,98.864 81.501,98.427 81.9,98.028 84.73,98.028 86.558,96.2 89.264,96.2 89.501,95.964 89.501,95.635 89.735,95.401 90.064,95.401 90.299,95.165 90.299,91.401 89.9,91.002 v1(89.9,91)
  BOT w0.102: v1(77.9,103.5) U1A.K26@78.3,103.9 ; U1B.AD7@89.5,90.6 v1(89.9,91)
IL12_20.LR.G2.D0_P: U1A.K27 U1B.AC7 | length 21.3
  TOP w0.102: v1(77.9,102.7) 77.9,102.136 78.535,101.501 78.864,101.501 79.099,101.265 79.099,100.458 80.209,99.349 80.209,98.766 81.252,97.723 84.603,97.723 86.623,95.704 88.592,95.704 88.896,95.399 89.265,95.399 89.499,95.165 89.499,91.399 v1(89.1,91)
  BOT w0.102: v1(77.9,102.7) U1A.K27@78.3,103.1 ; U1B.AC7@88.7,90.6 v1(89.1,91)
IL12_20.LR.G2.D1_N: U1A.L29 U1B.W5 | length 33.1
  S1(V) w0.102: v1(78.7,101.1) 79.099,101.499 79.099,102.865 78.865,103.099 76.135,103.099 75.335,102.3 71.335,102.3 70.796,101.761 70.796,100.4 71.297,99.899 73.265,99.899 73.499,99.665 73.499,99.336 74.045,98.79 74.29,98.79 76.701,96.379 76.701,95.635 76.935,95.401 77.264,95.401 77.499,95.165 77.499,94.835 77.733,94.601 78.935,94.601 79.236,94.3 79.236,93.86 80.896,92.199 85.499,92.199 v1(85.9,92.6)
  BOT w0.102: v1(78.7,101.1) U1A.L29@79.1,101.5 ; U1B.W5@85.5,92.2 v1(85.9,92.6)
IL12_20.LR.G2.D1_P: U1A.K28 U1B.Y5 | length 21.7
  S1(V) w0.102: v1(78.7,101.9) 77.9,101.9 77.501,101.501 76.936,101.501 76.701,101.265 76.701,100.935 76.936,100.699 77.265,100.699 77.499,100.465 77.499,98.737 78.439,97.796 79.606,97.796 80.212,97.19 86.91,97.19 v1(87.5,96.6)
  BOT w0.102: U1A.K28@78.3,102.3 v1(78.7,101.9) ; U1B.Y5@86.3,92.2 87.1,93 87.1,96.2 v1(87.5,96.6)
IL12_20.LR.G2.D2_N: U1A.N26 U1B.Y6 | length 29.4
  BOT w0.102: U1A.N26@80.7,103.9 79.8,103.9 79.596,103.696 79.596,100.808 79.995,100.409 79.995,98.808 80.894,97.91 86.89,97.91 88.601,96.199 90.865,96.199 91.099,95.965 91.099,90.834 90.271,90.006 87.694,90.006 U1B.Y6@86.3,91.4
IL12_20.LR.G2.D2_P: U1A.N27 U1B.Y7 | length 29.6
  BOT w0.102: U1A.N27@80.7,103.1 80.136,103.1 79.901,102.865 79.901,100.935 80.3,100.535 80.3,98.934 81.02,98.214 87.017,98.214 88.727,96.504 90.992,96.504 91.404,96.092 91.404,90.561 91.699,90.265 91.699,89.935 91.264,89.5 87.883,89.5 87.876,89.507 87.393,89.507 U1B.Y7@86.3,90.6
IL12_20.LR.G2.D3_N: U1A.P26 U1B.AC6 | length 20.6
  S6(H) w0.102: v1(80.3,103.5) 79.596,102.796 79.596,99.535 81.026,98.105 85.391,98.105 88.096,95.399 88.465,95.399 88.699,95.165 88.699,92.201 v1(89.1,91.8)
  BOT w0.102: v1(80.3,103.5) 81.1,103.5 U1A.P26@81.5,103.9 ; U1B.AC6@88.7,91.4 v1(89.1,91.8)
IL12_20.LR.G2.D3_P: U1A.P27 U1B.AB7 | length 21.5
  S6(H) w0.102: v1(80.3,102.7) 79.901,102.301 79.901,100.135 80.935,99.101 82.2,99.101 82.891,98.41 86.255,98.41 88.701,95.964 88.701,95.635 88.935,95.401 89.265,95.401 89.499,95.167 89.499,91.635 89.265,91.401 88.701,91.401 v1(88.3,91)
  BOT w0.102: v1(80.3,102.7) 80.865,102.7 81.265,103.1 U1A.P27@81.5,103.1 ; U1B.AB7@87.9,90.6 v1(88.3,91)
IL12_20.LR.G2.D4_N: U1A.L27 U1B.W4 | length 17.4
  S6(H) w0.102: v1(78.7,102.7) 78.299,102.299 78.299,99.97 80.774,97.495 84.4,97.495 86.2,95.695 86.569,95.695 87.099,95.165 87.099,94.035 86.865,93.801 86.301,93.801 v1(85.9,93.4)
  BOT w0.102: v1(78.7,102.7) U1A.L27@79.1,103.1 ; U1B.W4@85.5,93 v1(85.9,93.4)
IL12_20.LR.G2.D4_P: U1A.L26 U1B.Y4 | length 18.2
  S6(H) w0.102: v1(78.7,103.5) 78.7,103.264 79.099,102.865 79.099,99.601 80.9,97.8 84.527,97.8 86.327,96 87.064,96 87.899,95.165 87.899,94.404 86.895,93.4 v1(86.7,93.4)
  BOT w0.102: v1(78.7,103.5) U1A.L26@79.1,103.9 ; U1B.Y4@86.3,93 v1(86.7,93.4)
IL12_20.LR.G2.S_N: U1A.N29 U1B.AB6 | length 27.9
  TOP w0.102: v1(80.3,101.9) 80.3,101.664 80.699,101.265 80.699,100.937 80.935,100.701 81.264,100.701 81.5,100.464 81.5,100.136 81.736,99.899 82.065,99.899 82.299,99.665 82.299,99.336 82.998,98.638 84.982,98.638 86.316,97.304 91.614,97.304 v1@92.309,96.609
  S6(H) w0.102: v1(88.3,91.8) 87.901,91.401 87.901,90.835 88.136,90.6 90.064,90.6 90.299,90.835 90.299,96.599 90.699,96.999 91.901,96.999 v1(92.3,96.6)
  BOT w0.102: v1(80.3,101.9) U1A.N29@80.7,101.5 ; U1B.AB6@87.9,91.4 v1(88.3,91.8)